# KiCad board solderCurved.kicad_pcb (continued)
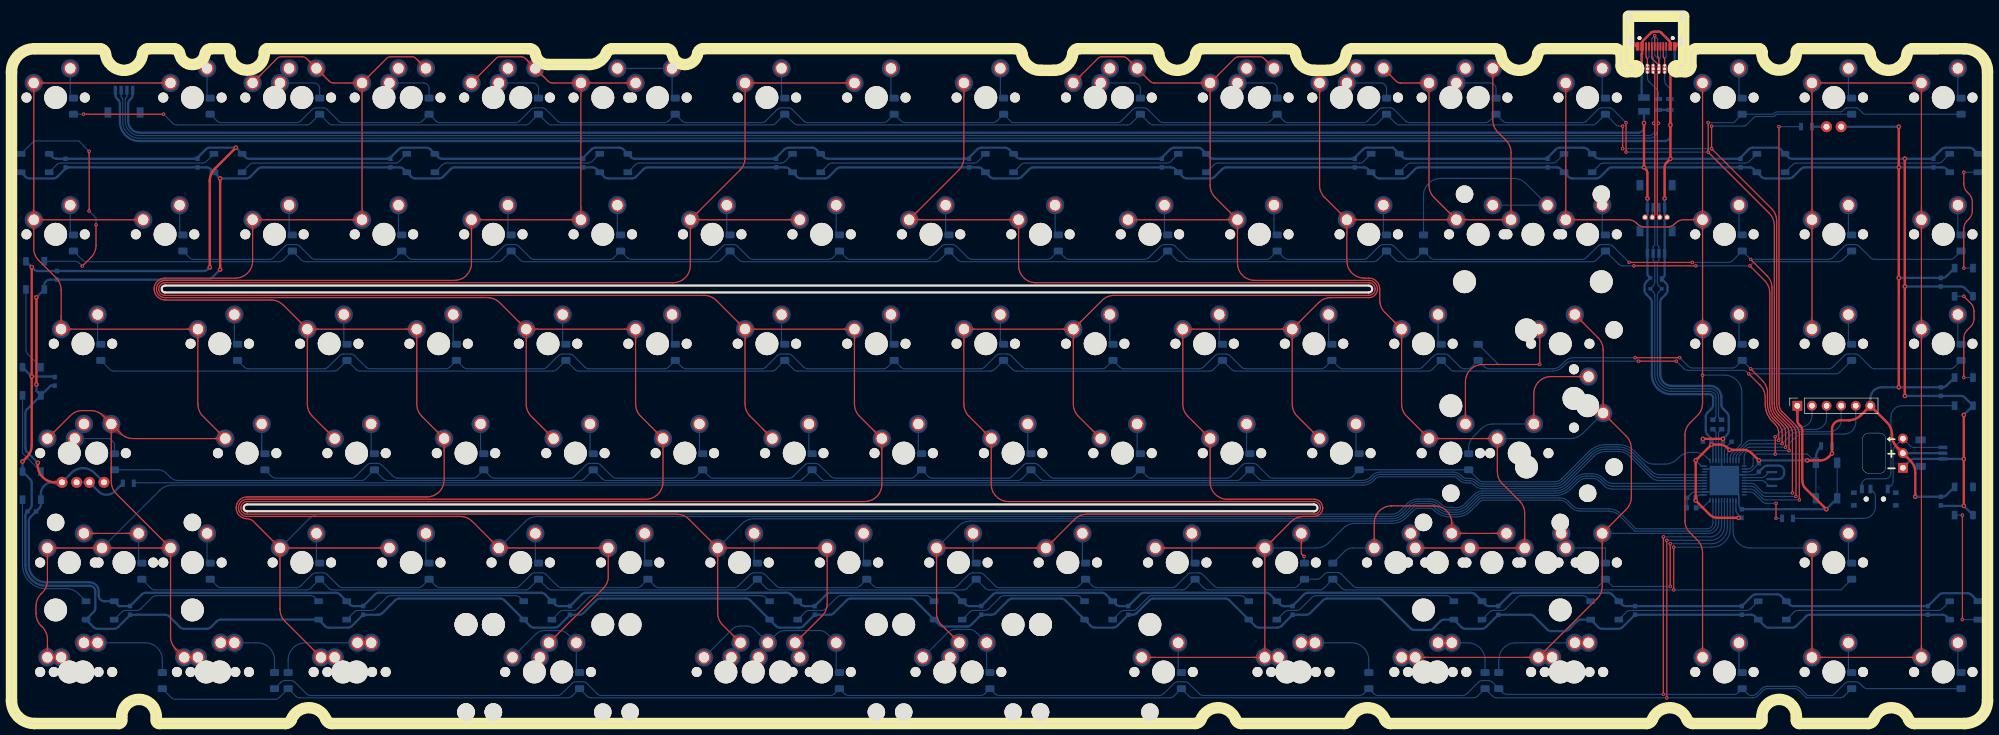
[diagram p0: board, top side]
## Footprints (pads in the part's own frame, mm; a bottom-side part is the same pattern mirrored in y, then rotated) (continued)
  round 2.8 smd: (2.54,3.81) (5.08,-2.54)
  round 3.048 hole 3.048 unplated: (6.985,11.938) (6.985,-11.938)
  round 2.4 hole 1.8: 1(2.54,3.81) 2(5.08,-2.54)
  round 3.2 smd far side: 1(2.54,3.81) 2(5.08,-2.54)
MXOnly-LEDONLY
  round 1.905 hole 1.04: 1(1.27,-5.08) 2(-1.27,-5.08)
MXOnly-LEDONLY-FLIPPED
  round 1.905 hole 1.04: 1(-1.27,-5.08) 2(1.27,-5.08)
PinHeader_1x04_P1.27mm_Vertical
  round 1 hole 0.65: 1(0,1.905)
  oval 1x1 hole 0.65: 2(0,0.635) 3(0,-0.635) 4(0,-1.905)
PinSocket_1x03_P2.54mm_Vertical
  rect 1.7x1.7 hole 1: 1(0,2.54)
  oval 1.7x1.7 hole 1: 2(0,0) 3(0,-2.54)
PinSocket_1x06_P2.54mm_Vertical
  rect 1.7x1.7 hole 1: 1(0,6.35)
  oval 1.7x1.7 hole 1: 2(0,3.81) 3(0,1.27) 4(0,-1.27) 5(0,-3.81) 6(0,-6.35)
QFN-44-1EP_7x7mm_P0.5mm_EP5.15x5.15mm
  rrect 1.04x1.04 smd: (-1.935,-1.935) (-1.935,-0.645) (-1.935,0.645) (-1.935,1.935) (-0.645,-1.935) (-0.645,-0.645) (-0.645,0.645) (-0.645,1.935) (0.645,-1.935) (0.645,-0.645) (0.645,0.645) (0.645,1.935) (1.935,-1.935) (1.935,-0.645) (1.935,0.645) (1.935,1.935)
  rrect 0.875x0.25 smd: 1(-3.438,2.5) 2(-3.438,2) 3(-3.438,1.5) 4(-3.438,1) 5(-3.438,0.5) 6(-3.438,0) 7(-3.438,-0.5) 8(-3.438,-1) 9(-3.438,-1.5) 10(-3.438,-2) 11(-3.438,-2.5) 23(3.438,-2.5) 24(3.438,-2) 25(3.438,-1.5) 26(3.438,-1) 27(3.438,-0.5) 28(3.438,0) 29(3.438,0.5) 30(3.438,1) 31(3.438,1.5) 32(3.438,2) 33(3.438,2.5)
  rrect 0.25x0.875 smd: 12(-2.5,-3.438) 13(-2,-3.438) 14(-1.5,-3.438) 15(-1,-3.438) 16(-0.5,-3.438) 17(0,-3.438) 18(0.5,-3.438) 19(1,-3.438) 20(1.5,-3.438) 21(2,-3.438) 22(2.5,-3.438) 34(2.5,3.438) 35(2,3.438) 36(1.5,3.438) 37(1,3.438) 38(0.5,3.438) 39(0,3.438) 40(-0.5,3.438) 41(-1,3.438) 42(-1.5,3.438) 43(-2,3.438) 44(-2.5,3.438)
  rect 5.15x5.15 smd: 45(0,0)
R_0603
  rect 0.8x0.95 smd: 1(-0.825,0) 2(0.825,0)
R_0805
  rect 0.7x1.3 smd: 1(-0.95,0) 2(0.95,0)
Resonator_SMD_muRata_CSTxExxV-3Pin_3.0x1.1mm
  rect 0.4x1.9 smd: 1(-1.2,0) 2(0,0) 3(1.2,0)
SKQG-1155865-2pin
  rect 1.8x1.1 smd: 1(-3.1,-1.85) 1(3.1,-1.85) 2(-3.1,1.85) 2(3.1,1.85)
SOT143B
  rect 0.7x1 smd: 1(-1,0.75)
  rect 0.7x0.6 smd: 2(-1,-0.95) 3(1,-0.95) 4(1,0.95)
SW_SPDT_PCM12
  rect 1x0.8 smd: (-3.65,-1.43) (-3.65,0.78) (3.65,-1.43) (3.65,0.78)
  round 0.9 hole 0.9 unplated: (-1.5,-0.33) (1.5,-0.33)
  rect 0.7x1.5 smd: 1(-2.25,1.43) 2(0.75,1.43) 3(2.25,1.43)

## Nets
+5V: C1.2 C2.1 C3.1 C4.2 C5.2 C7.2 C8.1 C9.1 C10.1 C11.1 C12.1 C13.1 C14.1 C15.1 C16.1 C17.1 C18.1 C19.1 C20.1 C21.1 C22.1 C23.1 C24.1 C25.1 C26.1 C27.1 C28.1 C29.1 C30.1 C31.1 C32.1 C33.1 F1.2 J1.1 J4.2 J5.1 J6.2 J7.1 J9.1 J10.6 LED1.2 LED2.2 LED3.2 R9.1 RGB1.1 RGB2.1 RGB3.1 RGB4.1 RGB5.1 RGB6.1 RGB7.1 RGB8.1 RGB9.1 RGB10.1 RGB11.1 RGB12.1 RGB13.1 RGB14.1 RGB15.1 RGB16.1 RGB17.1 RGB18.1 RGB19.1 RGB20.1 RGB21.1 RGB22.1 RGB23.1 RGB24.1 RGB25.1 RGB26.1 RGB27.3 RGB28.3 U2.2 U2.7 U2.14 U2.24 U2.34 U2.44 U3.4
GND: C1.1 C2.2 C3.2 C4.1 C5.1 C6.2 C7.1 C8.2 C9.2 C10.2 C11.2 C12.2 C13.2 C14.2 C15.2 C16.2 C17.2 C18.2 C19.2 C20.2 C21.2 C22.2 C23.2 C24.2 C25.2 C26.2 C27.2 C28.2 C29.2 C30.2 C31.2 C32.2 C33.2 J1.4 J4.1 J5.4 J6.1 J7.4 J8.6 J9.4 J10.1 R1.1 R6.1 R10.1 RGB1.3 RGB2.3 RGB3.3 RGB4.3 RGB5.3 RGB6.3 RGB7.3 RGB8.3 RGB9.3 RGB10.3 RGB11.3 RGB12.3 RGB13.3 RGB14.3 RGB15.3 RGB16.3 RGB17.3 RGB18.3 RGB19.3 RGB20.3 RGB21.3 RGB22.3 RGB23.3 RGB24.3 RGB25.3 RGB26.3 RGB27.1 RGB28.1 SW1.1 U2.5 U2.15 U2.23 U2.35 U2.43 U2.45 U3.1 USB1.1 USB1.12 USB1.13 USB2.1 USB2.12 USB2.13 Y1.2
VCC: F1.1 J8.1 USB1.2 USB1.11 USB2.2 USB2.11
/MCU/D5-22: U2.22
/RGB Strip/ADDICTIONAL: RGB13.2
AAA: J8.2 J8.5 R1.2 R6.2 USB1.4 USB1.10 USB2.4 USB2.10
Col0: MX1.1 MX2.1 MX3.1 MX4.1 MX5.1 MX6.1 MX7.1 MX8.2 MX9.1 MX10.1 MX11.1 MX12.1 MX13.1 MX14.1 MX101.1 MX102.1 U2.39
Col1: MX15.2 MX16.1 MX17.1 MX18.1 MX19.1 MX20.1 MX21.2 MX22.1 MX23.1 MX24.1 MX25.1 MX97.1 MX98.1 MX103.1 U2.38
Col2: MX26.2 MX27.1 MX28.1 MX29.1 MX30.1 MX31.1 MX32.1 MX33.1 MX34.1 MX35.1 MX99.1 MX100.1 MX110.1 MX111.2 U2.37
Col3: MX36.1 MX37.1 MX38.1 MX39.1 MX40.1 MX41.1 MX42.1 MX43.1 MX44.1 MX45.1 MX46.1 MX108.1 MX109.2 MX112.2 U2.36
Col4: MX47.1 MX48.1 MX49.1 MX50.1 MX51.1 MX53.1 MX54.1 MX55.1 MX56.1 MX113.1 MX114.2 U2.32
Col5: MX52.2 MX57.1 MX58.1 MX59.1 MX60.1 MX61.1 MX63.1 MX64.1 MX65.1 MX66.1 MX72.1 MX104.1 MX105.2 MX115.1 MX116.1 U2.31
Col6: MX62.1 MX67.1 MX68.1 MX69.1 MX70.1 MX71.1 MX74.1 MX75.1 MX76.1 MX77.1 MX78.2 MX79.1 MX80.2 MX81.2 MX83.1 MX106.2 MX107.2 MX117.1 MX118.1 MX119.1 MX120.2 U2.30
Col7: MX73.1 MX82.1 MX84.1 MX85.1 MX86.1 MX87.1 U2.8
Col8: MX88.1 MX89.1 MX90.1 MX91.1 MX92.1 MX93.1 MX94.1 MX95.1 MX96.1 U2.25
D+: R4.1 U2.4
D-: R5.1 U2.3
DG+: J1.3 J5.3 J7.3 J8.4 J9.3 R4.2 U3.2 USB1.6 USB1.8 USB2.6 USB2.8
DG-: J1.2 J5.2 J7.2 J8.3 J9.2 R5.2 U3.3 USB1.5 USB1.7 USB2.5 USB2.7
indicator1: R2.2 U2.20
indicator2: R3.2 U2.40
LedBar: J4.3 J6.3 SW2.1
MISO: D2.1 D14.1 D25.1 D35.1 D46.1 D56.1 D66.1 D76.1 D83.1 J10.5 U2.11
MOSI: D9.1 D21.1 D31.1 D41.1 D52.1 D62.1 D72.1 D80.1 D89.1 J10.4 U2.10
R0: D1.1 D13.1 D24.1 D34.1 D50.1 D60.1 D70.1 D82.1 U2.19
R1: D7.1 D19.1 D29.1 D39.1 D45.1 D55.1 D65.1 D78.1 D87.1 U2.18
R3: D8.1 D20.1 D30.1 D40.1 D51.1 D61.1 D71.1 D79.1 D88.1 U2.12
R6: D4.1 D16.1 D27.1 D37.1 D48.1 D58.1 U2.41
R7: D10.1 D22.1 D32.1 D42.1 D53.1 D63.1 D73.1 U2.1
R8: D5.1 D17.1 D28.1 D38.1 D49.1 D59.1 D68.1 D85.1 U2.26
R9: D11.1 D23.1 D33.1 D43.1 D54.1 D64.1 D74.1 U2.27
R10: D6.1 D18.1 D75.1 D86.1 D91.1 D92.1 U2.28
R11: D12.1 D44.1 D69.1 D77.1 D81.1 D90.1 D93.1 U2.29
RGB: R7.2 U2.21
RGB_UNDERGLOW: RGB14.4 SW2.3
RST: J10.2 R9.2 SW1.2 U2.13
SCK: D3.1 D15.1 D26.1 D36.1 D47.1 D57.1 D67.1 D84.1 J10.3 U2.9
Net-(C6-Pad1): U2.6
Net-(D1-Pad2): D1.2 MX1.2
Net-(D2-Pad2): D2.2 MX2.2
Net-(D3-Pad2): D3.2 MX3.2
Net-(D4-Pad2): D4.2 MX4.2 MX8.1
Net-(D5-Pad2): D5.2 MX5.2 MX6.2
Net-(D6-Pad2): D6.2 MX7.2 MX101.2
Net-(D7-Pad2): D7.2 MX9.2
Net-(D8-Pad2): D8.2 MX10.2
Net-(D9-Pad2): D9.2 MX11.2
Net-(D10-Pad2): D10.2 MX12.2
Net-(D11-Pad2): D11.2 MX13.2
Net-(D12-Pad2): D12.2 MX14.2 MX102.2
Net-(D13-Pad2): D13.2 MX15.1 MX97.2
Net-(D14-Pad2): D14.2 MX16.2
Net-(D15-Pad2): D15.2 MX17.2
Net-(D16-Pad2): D16.2 MX18.2
Net-(D17-Pad2): D17.2 MX19.2
Net-(D18-Pad2): D18.2 MX20.2 MX103.2
Net-(D19-Pad2): D19.2 MX21.1 MX98.2
Net-(D20-Pad2): D20.2 MX22.2
Net-(D21-Pad2): D21.2 MX23.2
Net-(D22-Pad2): D22.2 MX24.2
Net-(D23-Pad2): D23.2 MX25.2
Net-(D24-Pad2): D24.2 MX26.1 MX99.2
Net-(D25-Pad2): D25.2 MX27.2
Net-(D26-Pad2): D26.2 MX28.2
Net-(D27-Pad2): D27.2 MX29.2
Net-(D28-Pad2): D28.2 MX30.2
Net-(D29-Pad2): D29.2 MX31.2 MX100.2
Net-(D30-Pad2): D30.2 MX32.2
Net-(D31-Pad2): D31.2 MX33.2
Net-(D32-Pad2): D32.2 MX34.2
Net-(D33-Pad2): D33.2 MX35.2
Net-(D34-Pad2): D34.2 MX36.2
Net-(D35-Pad2): D35.2 MX37.2
Net-(D36-Pad2): D36.2 MX38.2
Net-(D37-Pad2): D37.2 MX39.2
Net-(D38-Pad2): D38.2 MX40.2
Net-(D39-Pad2): D39.2 MX41.2
Net-(D40-Pad2): D40.2 MX42.2
Net-(D41-Pad2): D41.2 MX43.2
Net-(D42-Pad2): D42.2 MX44.2
Net-(D43-Pad2): D43.2 MX45.2
Net-(D44-Pad2): D44.2 MX46.2 MX108.2 MX109.1 MX112.1
Net-(D45-Pad2): D45.2 MX47.2
Net-(D46-Pad2): D46.2 MX48.2
Net-(D47-Pad2): D47.2 MX49.2
Net-(D48-Pad2): D48.2 MX50.2
Net-(D49-Pad2): D49.2 MX51.2
Net-(D50-Pad2): D50.2 MX52.1 MX104.2
Net-(D51-Pad2): D51.2 MX53.2
Net-(D52-Pad2): D52.2 MX54.2
Net-(D53-Pad2): D53.2 MX55.2
Net-(D54-Pad2): D54.2 MX56.2
Net-(D55-Pad2): D55.2 MX57.2 MX105.1
Net-(D56-Pad2): D56.2 MX58.2
Net-(D57-Pad2): D57.2 MX59.2
Net-(D58-Pad2): D58.2 MX60.2
Net-(D59-Pad2): D59.2 MX61.2
Net-(D60-Pad2): D60.2 MX62.2 MX106.1
Net-(D61-Pad2): D61.2 MX63.2
Net-(D62-Pad2): D62.2 MX64.2
Net-(D63-Pad2): D63.2 MX65.2
Net-(D64-Pad2): D64.2 MX66.2
Net-(D65-Pad2): D65.2 MX67.2 MX107.1
Net-(D66-Pad2): D66.2 MX68.2
Net-(D67-Pad2): D67.2 MX69.2
Net-(D68-Pad2): D68.2 MX70.2 MX71.2 MX120.1
Net-(D69-Pad2): D69.2 MX72.2 MX116.2
Net-(D70-Pad2): D70.2 MX73.2
Net-(D71-Pad2): D71.2 MX74.2 MX75.2
Net-(D72-Pad2): D72.2 MX76.2 MX80.1
Net-(D73-Pad2): D73.2 MX77.2 MX81.1
Net-(D74-Pad2): D74.2 MX78.1 MX119.2
Net-(D75-Pad2): D75.2 MX79.2 MX117.2
Net-(D76-Pad2): D76.2 MX82.2
Net-(D77-Pad2): D77.2 MX83.2 MX118.2
Net-(D78-Pad2): D78.2 MX84.2
Net-(D79-Pad2): D79.2 MX85.2
Net-(D80-Pad2): D80.2 MX86.2
Net-(D81-Pad2): D81.2 MX87.2
Net-(D82-Pad2): D82.2 MX88.2
Net-(D83-Pad2): D83.2 MX89.2
Net-(D84-Pad2): D84.2 MX90.2
Net-(D85-Pad2): D85.2 MX91.2
Net-(D86-Pad2): D86.2 MX92.2
Net-(D87-Pad2): D87.2 MX93.2
Net-(D88-Pad2): D88.2 MX94.2
Net-(D89-Pad2): D89.2 MX95.2
Net-(D90-Pad2): D90.2 MX96.2
Net-(D91-Pad2): D91.2 MX115.2
Net-(D92-Pad2): D92.2 MX110.2 MX111.1
Net-(D93-Pad2): D93.2 MX113.2 MX114.1
Net-(LED1-Pad1): LED1.1 R2.1
Net-(LED2-Pad1): LED2.1 LED3.1 R3.1
Net-(R7-Pad1): R7.1 SW2.2
Net-(R10-Pad2): U2.33
Net-(RGB1-Pad2): RGB1.2 RGB16.4
Net-(RGB1-Pad4): RGB1.4 RGB2.2
Net-(RGB2-Pad4): RGB2.4 RGB3.2
Net-(RGB3-Pad4): RGB3.4 RGB4.2
Net-(RGB4-Pad4): RGB4.4 RGB6.2
Net-(RGB5-Pad2): RGB5.2 RGB9.4
Net-(RGB6-Pad4): RGB6.4 RGB7.2
Net-(RGB7-Pad4): RGB7.4 RGB8.2
Net-(RGB8-Pad4): RGB8.4 RGB9.2
Net-(RGB10-Pad2): RGB5.4 RGB10.2
Net-(RGB10-Pad4): RGB10.4 RGB11.2
Net-(RGB11-Pad4): RGB11.4 RGB15.2
Net-(RGB12-Pad2): RGB12.2 RGB13.4
Net-(RGB12-Pad4): RGB12.4 RGB27.4
Net-(RGB14-Pad2): RGB14.2 RGB15.4
Net-(RGB16-Pad2): RGB16.2 RGB17.4
Net-(RGB17-Pad2): RGB17.2 RGB18.4
Net-(RGB18-Pad2): RGB18.2 RGB19.4
Net-(RGB19-Pad2): RGB19.2 RGB20.4
Net-(RGB20-Pad2): RGB20.2 RGB21.4
Net-(RGB21-Pad2): RGB21.2 RGB22.4
Net-(RGB22-Pad2): RGB22.2 RGB23.4
Net-(RGB23-Pad2): RGB23.2 RGB24.4
Net-(RGB24-Pad2): RGB24.2 RGB25.4
Net-(RGB25-Pad2): RGB25.2 RGB26.4
Net-(RGB26-Pad2): RGB26.2 RGB28.2
Net-(RGB27-Pad2): RGB27.2 RGB28.4
Net-(U2-Pad16): U2.16
Net-(U2-Pad17): U2.17
Net-(U2-Pad42): U2.42
Net-(USB1-Pad3): USB1.3 USB2.3
Net-(USB1-Pad9): USB1.9 USB2.9

Pads without a net: C6 1; R10 2; Y1 1 3

## Via types
v1: diameter 0.6, hole 0.3, Top to Bottom, 58 vias
v2: diameter 0.8, hole 0.4, Top to Bottom, 38 vias

## Routing (per net, layer and track width the routed paths; a pad name or vN(x,y) marks a point on that pad's centre or on a via; arc(x,y) is an arc through that point)
+5V: length 1360.2
  Top w0.4: v2(300.7,35.81) 297.03,35.81 arc(296.26,35.96) 295.61,36.4 v2(293.2,38.81) v2(293.2,45.81) v2(295.95,48.56) 297.34,48.56 arc(298.11,48.41) 298.75,47.98 v2(299.09,47.64) 301.55,47.64 arc(302.31,47.48) 302.96,47.05 v2(304.2,45.81) ; v2(36.32,94.9) v2(36.32,79.04) ; v2(328.56,58.54) v2(328.56,77.59) v2(328.56,96.83) v2(328.56,103.91) ; v2(284.2,104.53) v2(284.2,96.83) 284.5,96.53 arc(284.72,96.2) 284.79,95.82 v2(284.79,91.41) ; v2(4.34,74.21) v2(4.34,59.03) ; v2(331.43,39.49) 331.43,43.68 arc(331.2,44.83) 330.55,45.8 J4.2 328.25,48.1 arc(327.6,49.07) 327.37,50.22 327.37,50.31 arc(327.15,51.46) 326.5,52.43 J10.6 321.95,53.68 arc(321.05,53.06) 319.99,52.8 318.49,52.8 arc(317.39,52.35) 316.93,51.24 v2(316.93,47.01) 316.31,46.4 arc(315.67,45.96) 314.9,45.81 v2(312.61,45.81) ; v2(4.57,45.4) 4.57,44.99 arc(5.45,42.87) 7.57,41.99 LED2.2
  Bottom w0.2: C7.2 302.99,44.1 arc(302.67,43.89) 302.28,43.81 U2.14 ; C4.2 v2(293.2,38.81) ; U2.7 298.7,46.83 arc(298.78,47.21) 298.99,47.54 v2(299.09,47.64) ; C5.2 v2(300.7,35.81)
  Bottom w0.25: U2.24 300.2,37.23 arc(300.28,36.84) 300.49,36.52 C5.2 ; v2(293.2,45.81) 294.2,44.81 U2.44 ; C4.2 293.41,39.52 arc(293.73,39.74) 294.11,39.81 U2.34 ; U2.2 296.2,49.06
  Bottom w0.4: RGB11.1 336.87,96.54 arc(336.54,96.75) 336.16,96.83 v2(328.56,96.83) 312.21,96.83 arc(311.83,96.75) 311.51,96.54 310.16,95.19 arc(309.84,94.98) 309.46,94.9 305.34,94.9 arc(304.96,94.98) 304.63,95.19 RGB10.1 303.29,96.54 arc(302.97,96.75) 302.58,96.83 v2(284.2,96.83) 278.64,96.83 arc(278.25,96.75) 277.93,96.54 276.59,95.19 arc(276.26,94.98) 275.88,94.9 271.77,94.9 arc(271.38,94.98) 271.06,95.19 RGB5.1 269.72,96.54 arc(269.39,96.75) 269.01,96.83 245.06,96.83 arc(244.68,96.75) 244.35,96.54 243.01,95.19 arc(242.69,94.98) 242.3,94.9 238.19,94.9 arc(237.81,94.98) 237.48,95.19 RGB9.1 236.14,96.54 arc(235.82,96.75) 235.43,96.83 211.49,96.83 arc(211.1,96.75) 210.78,96.54 209.44,95.19 arc(209.11,94.98) 208.73,94.9 204.61,94.9 arc(204.23,94.98) 203.91,95.19 RGB8.1 202.56,96.54 arc(202.24,96.75) 201.86,96.83 177.91,96.83 arc(177.53,96.75) 177.2,96.54 175.86,95.19 arc(175.54,94.98) 175.15,94.9 171.04,94.9 arc(170.66,94.98) 170.33,95.19 RGB7.1 168.99,96.54 arc(168.66,96.75) 168.28,96.83 144.33,96.83 arc(143.95,96.75) 143.63,96.54 142.28,95.19 arc(141.96,94.98) 141.58,94.9 137.46,94.9 arc(137.08,94.98) 136.75,95.19 RGB6.1 135.41,96.54 arc(135.09,96.75) 134.7,96.83 110.76,96.83 arc(110.37,96.75) 110.05,96.54 108.71,95.19 arc(108.38,94.98) 108,94.9 103.89,94.9 arc(103.5,94.98) 103.18,95.19 RGB4.1 101.84,96.54 arc(101.51,96.75) 101.13,96.83 77.18,96.83 arc(76.8,96.75) 76.47,96.54 75.13,95.19 arc(74.81,94.98) 74.42,94.9 70.31,94.9 arc(69.93,94.98) 69.6,95.19 RGB3.1 68.26,96.54 arc(67.94,96.75) 67.55,96.83 43.61,96.83 arc(43.22,96.75) 42.9,96.54 41.56,95.19 arc(41.23,94.98) 40.85,94.9 v2(36.32,94.9) RGB2.1 34.68,96.54 arc(34.36,96.75) 33.98,96.83 10.03,96.83 arc(9.65,96.75) 9.32,96.54 7.98,95.19 arc(7.66,94.98) 7.27,94.9 3.16,94.9 arc(2.78,94.98) 2.45,95.19 RGB1.1 ; v2(4.34,74.21) RGB16.1 5.71,76.28 arc(6.01,76.99) 6.71,77.28 C31.1 34.15,77.28 arc(34.53,77.36) 34.86,77.57 v2(36.32,79.04) ; C1.2 v2(295.95,48.56) 295.95,49.56 295.24,50.27 arc(295.03,50.59) 294.95,50.98 294.95,53.4 arc(295.03,53.78) 295.24,54.1 295.93,54.79 arc(296.15,55.12) 296.22,55.5 296.22,56.74 arc(296.05,57.16) 295.62,57.34 288.97,57.34 arc(286.56,58.33) 285.57,60.74 285.57,73.35 arc(285.49,73.73) 285.28,74.05 284.59,74.74 arc(284.37,75.07) 284.29,75.45 284.29,76.17 arc(284.37,76.56) 284.59,76.88 U3.4 284.94,77.94 arc(284.83,78.1) 284.79,78.29 J1.1 284.79,87.73 J5.1 284.79,88.54 J7.1 v2(284.79,91.41) ; v2(312.61,45.81) v2(304.2,45.81) C7.2 ; RGB14.1 336.86,58.83 arc(336.54,58.62) 336.16,58.54 v2(328.56,58.54) 325.6,58.54 arc(324.18,57.95) 323.6,56.54 J10.6 ; v2(331.43,39.49) 336.16,39.49 arc(336.54,39.57) 336.86,39.78 RGB13.1 ; RGB17.1 6.82,58.83 C33.1 ; RGB17.1 4.34,57.91 v2(4.34,59.03) ; RGB17.1 2.71,54.72 arc(2.5,54.39) 2.42,54.01 2.42,47.97 arc(2.48,47.64) 2.64,47.34 4.57,45.41 v2(4.57,45.4) ; LED3.2 14.46,43.64 arc(12.45,44.47) 10.44,43.64 LED2.2 7.12,41.99 arc(5.71,41.41) 5.12,39.99 RGB18.1 5.12,38.18 arc(5.04,37.8) 4.83,37.48 C32.1 3.31,35.96 arc(3.1,35.64) 3.02,35.25 3.02,27.59 arc(3.9,25.47) 6.02,24.59 13.59,24.59 arc(14.72,24.12) 15.19,22.99 15.19,22.29 arc(15.49,21.58) 16.19,21.29 RGB19.1 18.73,20.44 C28.1 22.65,22.47 arc(22.98,22.69) 23.36,22.76 56.47,22.76 arc(56.85,22.69) 57.18,22.47 RGB20.1 58.91,20.73 arc(59.24,20.52) 59.62,20.44 C15.1 63.25,22.47 arc(63.58,22.69) 63.96,22.76 92.19,22.76 arc(92.57,22.69) 92.9,22.47 RGB21.1 94.63,20.73 arc(94.96,20.52) 95.34,20.44 C21.1 99.25,22.47 arc(99.58,22.69) 99.96,22.76 134.98,22.76 arc(135.37,22.69) 135.69,22.47 RGB22.1 137.43,20.73 arc(137.75,20.52) 138.13,20.44 C18.1 141.85,22.47 arc(142.18,22.69) 142.56,22.76 163.63,22.76 arc(164.01,22.69) 164.33,22.47 RGB23.1 166.07,20.73 arc(166.39,20.52) 166.78,20.44 C20.1 170.85,22.47 arc(171.18,22.69) 171.56,22.76 189.82,22.76 arc(190.2,22.69) 190.53,22.47 RGB24.1 192.26,20.73 arc(192.59,20.52) 192.97,20.44 C19.1 196.45,22.47 arc(196.78,22.69) 197.16,22.76 218.4,22.76 arc(218.78,22.69) 219.1,22.47 RGB25.1 220.84,20.73 arc(221.16,20.52) 221.55,20.44 222.56,20.44 arc(222.94,20.52) 223.27,20.73 225,22.47 arc(225.33,22.69) 225.71,22.76 254.11,22.76 arc(254.5,22.69) 254.82,22.47 RGB26.1 256.56,20.73 arc(256.88,20.52) 257.26,20.44 258.43,20.44 arc(258.81,20.52) 259.14,20.73 260.87,22.47 arc(261.2,22.69) 261.58,22.76 277.93,22.76 arc(278.31,22.69) 278.63,22.47 RGB28.3 280.37,20.73 arc(280.69,20.52) 281.08,20.44 C23.1 302.99,22.2 arc(303.32,22.41) 303.7,22.49 307.37,22.49 arc(307.75,22.41) 308.08,22.2 RGB27.3 309.54,20.73 arc(309.87,20.52) 310.25,20.44 C30.1 335.58,22.4 arc(335.91,22.61) 336.29,22.69 340.51,22.69 arc(340.89,22.61) 341.21,22.4 RGB12.1 ; J4.2 336.23,47.07 ; LED1.2 v2(328.56,103.91) ; v2(328.56,77.59) 336.16,77.59 arc(336.54,77.67) 336.86,77.88 RGB15.1 ; J9.1 21.09,109.5 arc(21.02,109.12) 20.8,108.79 20.61,108.6 arc(20.39,108.28) 20.32,107.9 20.32,104.87 arc(20.9,103.45) 22.32,102.87 283.2,102.87 arc(283.91,103.16) 284.2,103.87 v2(284.2,104.53) F1.2 ; R9.1 v2(316.93,47.01)
GND: length 1441.2
  Top w0.4: v2(3.52,79.47) v2(3.52,60.42) 3.52,48.47 arc(3.3,47.32) 2.65,46.35 v2(1.92,45.62) ; v2(339.87,53.74) v2(339.87,46.07) v2(339.87,37.89) ; v2(297.95,49.56) v2(294.45,49.56) ; v2(287.79,91.41) 287.79,96.92 arc(287.87,97.3) 288.09,97.62 v2(288.79,98.33) v2(288.79,104.21) J8.6 ; v2(329.61,57.04) v2(329.61,76.09) v2(329.61,98.33) ; v2(34.51,79.43) 34.51,94.47 arc(34.74,95.62) 35.39,96.59 v2(39.06,100.26) ; v2(315.93,37.31) 312.33,40.91 arc(311.9,41.56) 311.75,42.32 311.75,51.08 arc(311.67,51.46) 311.46,51.79 311.19,52.05 arc(310.98,52.38) 310.9,52.76 J10.1 ; USB2.12 282.91,117.89 USB2.13 USB2.13 USB2.13 USB2.13 289.72,117.89 USB2.1
  Bottom w0.2: SW1.1 SW1.1 ; C7.1 303.99,43.6 arc(303.67,43.39) 303.28,43.31 U2.15 ; C4.1 291.7,37.57
  Bottom w0.25: U2.45 299.2,43.31 U2.15 ; U2.45 300.7,39.81 U2.23 300.7,38.23 arc(300.78,37.84) 300.99,37.52 C5.1 ; U2.45 297.7,42.81 U2.5 297.7,49.06 ; U2.45 296.2,44.31 U2.43 ; U2.45 296.2,40.31 U2.35 293.11,40.31 arc(292.73,40.24) 292.41,40.02 C4.1
  Bottom w0.4: RGB11.3 341.54,99.97 arc(341.21,100.18) 340.83,100.26 336.72,100.26 arc(336.33,100.18) 336.01,99.97 334.37,98.33 ; 300.8,98.33 302.43,99.97 arc(302.76,100.18) 303.14,100.26 307.26,100.26 arc(307.64,100.18) 307.96,99.97 RGB10.3 309.31,98.62 arc(309.63,98.41) 310.01,98.33 v2(329.61,98.33) C17.2 ; RGB13.3 v2(339.87,37.89) 335.82,37.89 ; USB2.12 282.91,117.89 USB2.13 USB2.13 USB2.13 USB2.13 289.72,117.89 USB2.1 289.54,115.33 J8.6 ; v2(339.87,53.74) RGB14.3 340.06,56.75 arc(339.74,56.96) 339.36,57.04 v2(329.61,57.04) ; R6.1 R1.1 ; v2(329.61,76.09) 339.36,76.09 arc(339.74,76.01) 340.06,75.8 RGB15.3 ; SW1.1 v2(315.93,37.31) C5.1 ; Y1.2 307.6,42.56 arc(308.31,42.85) 308.6,43.56 308.6,43.91 arc(308.31,44.62) 307.6,44.91 305.71,44.91 arc(305.33,44.84) 305.01,44.62 C7.1 ; v2(1.92,45.62) RGB18.3 3.23,42.56 arc(3.44,42.24) 3.52,41.85 3.52,38.08 arc(3.44,37.7) 3.23,37.38 C32.2 2.71,36.86 arc(2.5,36.54) 2.42,36.15 2.42,27.59 arc(3.47,25.04) 6.02,23.99 13.59,23.99 arc(14.3,23.7) 14.59,22.99 14.59,20.12 arc(14.52,19.74) 14.3,19.41 RGB19.3 14.28,16.78 arc(14.61,16.57) 14.99,16.49 17.83,16.49 arc(18.21,16.57) 18.54,16.78 20.63,18.87 C28.2 26.76,18.94 arc(27.14,18.86) 27.47,18.65 29.33,16.78 arc(29.66,16.57) 30.04,16.49 34.01,16.49 arc(34.39,16.57) 34.72,16.78 35.73,17.8 arc(36.06,18.01) 36.44,18.09 RGB20.3 54.56,16.98 arc(54.89,16.77) 55.27,16.69 58.56,16.69 arc(58.94,16.77) 59.27,16.98 C15.2 63.86,18.94 arc(64.24,19.02) 64.57,19.23 66.8,21.47 arc(67.13,21.69) 67.51,21.76 85.09,21.76 arc(85.47,21.69) 85.8,21.47 RGB21.3 90.28,16.98 arc(90.61,16.77) 90.99,16.69 94.56,16.69 arc(94.94,16.77) 95.27,16.98 C21.2 98.86,18.94 arc(99.24,19.02) 99.57,19.23 101.8,21.47 arc(102.13,21.69) 102.51,21.76 127.88,21.76 arc(128.27,21.69) 128.59,21.47 RGB22.3 133.08,16.98 arc(133.4,16.77) 133.78,16.69 137.16,16.69 arc(137.54,16.77) 137.87,16.98 C18.2 142.46,18.94 arc(142.84,19.02) 143.17,19.23 145.4,21.47 arc(145.73,21.69) 146.11,21.76 156.53,21.76 arc(156.91,21.69) 157.23,21.47 RGB23.3 161.52,17.18 arc(161.84,16.97) 162.23,16.89 166.36,16.89 arc(166.74,16.97) 167.07,17.18 C20.2 170.59,18.94 arc(170.97,19.02) 171.3,19.23 173.53,21.47 arc(173.86,21.69) 174.24,21.76 182.72,21.76 arc(183.1,21.69) 183.43,21.47 RGB24.3 187.91,16.98 arc(188.24,16.77) 188.62,16.69 191.76,16.69 arc(192.14,16.77) 192.47,16.98 C19.2 195.17,18.94 arc(195.55,19.02) 195.88,19.23 198.11,21.47 arc(198.44,21.69) 198.82,21.76 211.3,21.76 arc(211.68,21.69) 212,21.47 RGB25.3 216.49,16.98 arc(216.81,16.77) 217.2,16.69 220.36,16.69 arc(220.74,16.77) 221.07,16.98 C25.2 225.39,18.94 arc(225.77,19.02) 226.1,19.23 228.33,21.47 arc(228.66,21.69) 229.04,21.76 237.94,21.76 arc(238.32,21.69) 238.65,21.47 243.53,16.58 arc(243.86,16.37) 244.24,16.29 246.81,16.29 arc(247.19,16.37) 247.52,16.58 248.73,17.8 arc(249.06,18.01) 249.44,18.09 RGB26.3 252.41,16.78 arc(252.73,16.57) 253.11,16.49 255.96,16.49 arc(256.34,16.57) 256.67,16.78 C24.2 264.36,18.94 arc(264.74,18.86) 265.07,18.65 267.33,16.38 arc(267.66,16.17) 268.04,16.09 270.41,16.09 arc(270.79,16.17) 271.12,16.38 272.53,17.8 arc(272.86,18.01) 273.24,18.09 RGB28.1 276.22,16.78 arc(276.54,16.57) 276.93,16.49 279.76,16.49 arc(280.14,16.57) 280.47,16.78 C22.2 302.82,18.94 arc(303.2,18.86) 303.53,18.65 RGB27.1 305.19,16.98 arc(305.52,16.77) 305.9,16.69 310.01,16.69 arc(310.39,16.77) 310.72,16.98 312.38,18.65 arc(312.71,18.86) 313.09,18.94 C30.2 336.16,18.94 arc(336.54,18.86) 336.86,18.65 RGB12.3 ; v2(339.87,46.07) 331.23,46.07 arc(330.85,46) 330.52,45.78 J4.1 ; RGB1.3 7.12,98.62 arc(7.45,98.41) 7.83,98.33 31.78,98.33 arc(32.16,98.41) 32.48,98.62 33.83,99.97 arc(34.15,100.18) 34.53,100.26 v2(39.06,100.26) RGB2.3 40.7,98.62 arc(41.02,98.41) 41.4,98.33 65.35,98.33 arc(65.73,98.41) 66.06,98.62 67.4,99.97 arc(67.73,100.18) 68.11,100.26 72.22,100.26 arc(72.61,100.18) 72.93,99.97 RGB3.3 74.27,98.62 arc(74.6,98.41) 74.98,98.33 98.93,98.33 arc(99.31,98.41) 99.63,98.62 100.98,99.97 arc(101.3,100.18) 101.69,100.26 105.8,100.26 arc(106.18,100.18) 106.51,99.97 RGB4.3 107.85,98.62 arc(108.17,98.41) 108.56,98.33 132.5,98.33 arc(132.89,98.41) 133.21,98.62 134.55,99.97 arc(134.88,100.18) 135.26,100.26 139.38,100.26 arc(139.76,100.18) 140.08,99.97 RGB6.3 141.43,98.62 arc(141.75,98.41) 142.13,98.33 166.08,98.33 arc(166.46,98.41) 166.79,98.62 168.13,99.97 arc(168.45,100.18) 168.84,100.26 172.95,100.26 arc(173.33,100.18) 173.66,99.97 RGB7.3 175,98.62 arc(175.33,98.41) 175.71,98.33 199.66,98.33 arc(200.04,98.41) 200.36,98.62 201.71,99.97 arc(202.03,100.18) 202.41,100.26 206.53,100.26 arc(206.91,100.18) 207.23,99.97 RGB8.3 208.58,98.62 arc(208.9,98.41) 209.28,98.33 233.23,98.33 arc(233.61,98.41) 233.94,98.62 235.28,99.97 arc(235.61,100.18) 235.99,100.26 240.52,100.26 RGB9.3 242.15,98.62 arc(242.48,98.41) 242.86,98.33 266.81,98.33 arc(267.19,98.41) 267.51,98.62 268.86,99.97 arc(269.18,100.18) 269.57,100.26 273.68,100.26 arc(274.06,100.18) 274.39,99.97 RGB5.3 275.73,98.62 arc(276.05,98.41) 276.44,98.33 v2(288.79,98.33) C16.2 ; RGB16.3 v2(3.52,79.47) 3.92,79.07 arc(4.25,78.86) 4.63,78.78 C31.2 33.45,78.78 arc(33.83,78.86) 34.16,79.07 v2(34.51,79.43) ; C6.2 v2(297.95,49.56) 298.66,50.27 arc(298.87,50.59) 298.95,50.98 298.95,53.4 arc(298.87,53.78) 298.66,54.1 297.97,54.79 arc(297.75,55.12) 297.67,55.5 297.67,56.79 arc(297.09,58.2) 295.67,58.79 289.02,58.79 arc(287.6,59.37) 287.02,60.79 287.02,73.35 arc(287.09,73.73) 287.31,74.05 288,74.74 arc(288.22,75.07) 288.29,75.45 288.29,75.97 arc(288.22,76.36) 288,76.68 U3.1 287.65,77.74 arc(287.76,77.9) 287.79,78.09 J1.4 287.79,87.73 J5.4 287.79,88.54 J7.4 v2(287.79,91.41) ; 288.79,106.9 v2(288.79,104.21) 288.79,102.42 arc(288.5,101.71) 287.79,101.42 22.27,101.42 arc(19.86,102.41) 18.87,104.82 18.87,107.89 arc(18.79,108.28) 18.57,108.6 18.39,108.79 arc(18.17,109.11) 18.09,109.5 J9.4 ; 7.6,60.42 v2(3.52,60.42) RGB17.3 ; C1.1 v2(294.45,49.56)
VCC: length 27.6
  Top w0.4: J8.1 283.79,116.53 283.86,116.6 USB2.11 283.86,118.5 arc(283.9,118.69) 284.01,118.85 285.45,120.3 arc(285.62,120.41) 285.81,120.45 286.81,120.45 arc(287,120.41) 287.17,120.3 288.61,118.85 arc(288.72,118.69) 288.76,118.5 USB2.2
  Bottom w0.4: USB2.2 288.76,118.5 arc(288.72,118.69) 288.61,118.85 287.17,120.3 arc(287,120.41) 286.81,120.45 285.81,120.45 arc(285.62,120.41) 285.45,120.3 284.01,118.85 arc(283.9,118.69) 283.86,118.5 USB2.11 283.86,116.6 283.79,116.53 J8.1 ; J8.1 283.79,108.81
AAA: length 23.9
  Top w0.2: USB2.4 287.56,116.12 arc(287.58,116.02) 287.63,115.94 287.72,115.85 arc(287.77,115.77) 287.79,115.68 J8.5 ; USB2.10 284.56,116.09 arc(284.58,115.99) 284.63,115.91 284.72,115.82 arc(284.77,115.74) 284.79,115.65 J8.2
  Bottom w0.2: USB1.10 288.06,116.14 arc(288.04,116.05) 287.99,115.97 287.87,115.85 arc(287.81,115.77) 287.79,115.67 J8.5 ; USB1.4 285.06,116.1 arc(285.04,116.01) 284.99,115.93 284.87,115.81 arc(284.81,115.73) 284.79,115.63 J8.2 ; J8.2 284.79,112.45 arc(284.87,112.07) 285.09,111.75 286.41,110.43 arc(286.62,110.1) 286.7,109.72 R6.2 ; R1.2 288.7,110.18 arc(288.62,110.56) 288.41,110.89 288.09,111.21 arc(287.87,111.53) 287.79,111.91 J8.5
Col0: length 542.7
  Top w0.2: MX4.1 10.25,53.61 arc(11.23,54.26) 12.38,54.49 13.79,54.49 arc(14.94,54.26) 15.91,53.61 MX8.2 ; MX9.1 MX1.1 MX2.1 ; MX13.1 18.25,40 arc(17.6,40.98) 17.37,42.13 MX8.2 ; MX13.1 27.69,15.14 arc(27.92,13.99) 28.57,13.02 MX102.1 ; MX13.1 MX6.1 MX5.1 6.26,24.92 arc(6.03,23.77) 5.38,22.8 5.15,22.57 arc(4.5,21.6) 4.27,20.45 4.27,19.13 arc(4.5,17.98) 5.15,17.01 5.38,16.78 arc(6.03,15.81) 6.26,14.66 MX101.1 ; MX8.2 19.03,50.49 arc(20,49.84) 21.15,49.61 MX12.1 33.33,53.5 arc(32.68,54.47) 32.45,55.62 32.45,68.66 8.64,68.66 8.64,75.48 arc(8.41,76.63) 7.76,77.6 4.76,80.61 arc(4.1,81.58) 3.88,82.73 MX2.1 ; MX2.1 MX10.1
  Bottom w0.2: MX6.1 25.85,40.63 arc(26.82,41.28) 27.97,41.51 235.16,41.51 arc(236.23,41.73) 237.14,42.33 237.43,42.62 arc(237.82,42.88) 238.28,42.97 251.02,42.97 arc(251.4,42.9) 251.72,42.68 251.99,42.41 arc(252.57,42.02) 253.26,41.89 253.85,41.89 arc(254.23,41.81) 254.56,41.59 254.68,41.47 arc(255.33,41.04) 256.09,40.89 268.68,40.89 arc(269.75,41.1) 270.66,41.71 275.44,46.48 arc(276.41,47.13) 277.56,47.36 279.68,47.36 arc(280.83,47.13) 281.8,46.48 285.39,42.9 arc(286.04,42.46) 286.8,42.31 U2.39
Col1: length 549
  Top w0.2: MX19.1 46.74,19.9 arc(46.97,18.75) 47.62,17.78 MX103.1 ; MX19.1 65.79,30.56 ; MX19.1 42.11,35.2 arc(41.61,35.53) 41.02,35.65 arc(39.67,36.21) 39.12,37.55 arc(39.67,38.89) 41.02,39.45 72.31,39.45 arc(74.44,40.33) 75.31,42.45 MX24.1 71.43,53.5 arc(70.78,54.47) 70.55,55.62 70.55,68.66 51.5,68.66 ; 51.5,68.66 47.3,72.87 arc(46.32,73.52) 45.17,73.75 26.73,73.75 arc(25.38,74.31) 24.83,75.65 arc(25.38,76.99) 26.73,77.55 38.98,77.55 arc(41.1,78.43) 41.98,80.55 MX16.1 MX22.1 MX98.1 ; 51.5,68.66 51.5,55.62 arc(51.73,54.47) 52.38,53.5 MX18.1 ; MX98.1 56.04,111.53 arc(55.66,111.6) 55.34,111.82 MX15.2 51.36,115.8 arc(51.03,116.01) 50.65,116.09 46.95,116.09 arc(46.57,116.01) 46.25,115.8 MX97.1 ; MX98.1 65.3,115.8 arc(65.62,116.01) 66,116.09 69.7,116.09 arc(70.08,116.01) 70.41,115.8 MX21.2
  Bottom w0.2: MX19.1 51.75,35.57 arc(52.72,36.22) 53.87,36.45 240.32,36.45 arc(241.09,36.6) 241.73,37.04 243.03,38.33 arc(243.87,38.89) 244.86,39.09 246.91,39.09 arc(247.9,38.89) 248.75,38.33 248.9,38.17 arc(249.55,37.74) 250.31,37.59 251.53,37.59 arc(252.29,37.74) 252.94,38.17 254.67,39.9 arc(255.32,40.33) 256.08,40.49 268.68,40.49 arc(269.9,40.73) 270.94,41.42 272.19,42.67 arc(273.09,43.27) 274.17,43.49 275.15,43.49 arc(276.22,43.27) 277.13,42.67 277.39,42.4 arc(278.04,41.96) 278.81,41.81 U2.38
Col2: length 656.3
  Top w0.2: MX100.1 MX31.1 ; MX100.1 MX32.1 MX27.1 80.08,80.15 arc(79.2,78.03) 77.08,77.15 26.73,77.15 arc(25.67,76.71) 25.23,75.65 arc(25.67,74.59) 26.73,74.15 82.87,74.15 arc(84.02,73.92) 85,73.27 89.6,68.66 ; MX100.1 94.14,111.53 arc(93.76,111.6) 93.44,111.82 MX26.2 89.46,115.8 arc(89.13,116.01) 88.75,116.09 85.05,116.09 arc(84.67,116.01) 84.35,115.8 MX99.1 ; MX111.2 103.01,23.49 arc(103.66,24.47) 103.89,25.62 MX35.1 MX30.1 80.23,35.17 arc(79.26,35.82) 78.11,36.05 41.02,36.05 arc(39.95,36.49) 39.52,37.55 arc(39.95,38.61) 41.02,39.05 110.41,39.05 arc(112.54,39.93) 113.41,42.05 MX34.1 109.53,53.5 arc(108.88,54.47) 108.65,55.62 108.65,68.66 89.6,68.66 ; 89.6,68.66 89.6,55.62 arc(89.83,54.47) 90.48,53.5 MX29.1
  Bottom w0.2: U2.37 278.74,41.31 arc(277.98,41.46) 277.33,41.9 276.84,42.38 arc(276.06,42.9) 275.15,43.09 274.17,43.09 arc(273.25,42.9) 272.47,42.38 271.23,41.14 arc(270.06,40.36) 268.68,40.09 256.08,40.09 arc(255.47,39.97) 254.95,39.62 253.22,37.89 arc(252.45,37.37) 251.53,37.19 250.31,37.19 arc(249.4,37.37) 248.62,37.89 248.47,38.04 arc(247.75,38.52) 246.91,38.69 244.86,38.69 arc(244.02,38.52) 243.31,38.04 242.02,36.75 arc(241.24,36.23) 240.32,36.05 91.57,36.05 arc(90.42,35.82) 89.45,35.17 MX30.1
